# Altium PCB cyber60-smk-B2.PcbDoc (part 3 of 4)
Units mm, origin at the board's own origin, x right, y up, seen from the top; angles counter-clockwise.
Board outline 284.7 x 94.21 mm, 2 copper layers (Component Side, Bottom Layer), stack 1.571 mm thick; 221 components, 135 nets, 913 pads, 306 vias.
Unrouted connection lines stored in the file: 51.
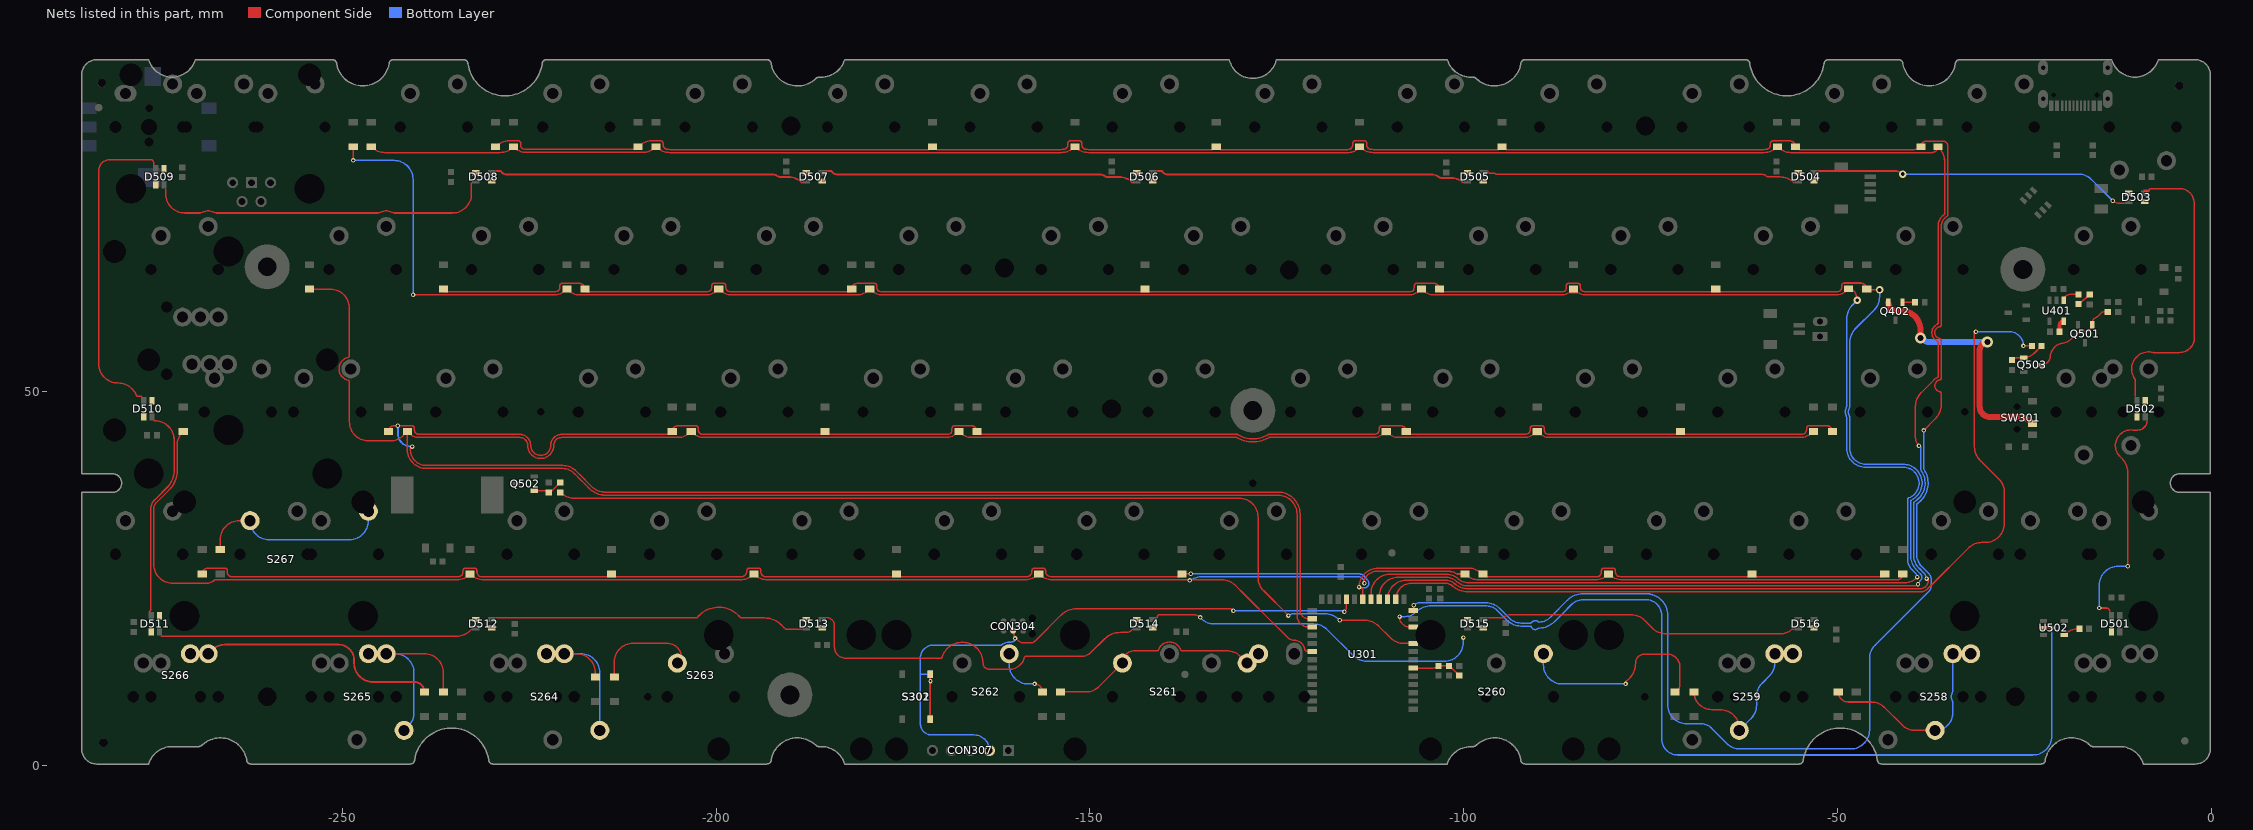
[diagram p3: the nets of this part, all layers, seen from the top]

## Via types
v1: diameter 1, hole 0.5, Component Side to Bottom Layer, tented both sides, 161 vias
v2: diameter 0.6, hole 0.3, Component Side to Bottom Layer, tented both sides, 139 vias
v3: diameter 1.5, hole 0.8, Component Side to Bottom Layer, tented both sides, 4 vias
v4: diameter 1.5, hole 0.75, Component Side to Bottom Layer, tented both sides, 2 vias

## Nets (pads, with @x,y where several pads share a name; then routed paths per layer and width w, separated by ;. In a path a pad name is that pad's centre, name@x,y a point inside that pad or via, vN(x,y) a via of type N, cw(c..) or ccw(c..) an arc to the next point about the centre after c; other vN are vias at no path point) (continued)
NetD258_1: D258.1 S258.1 | length 26.8
  Component Side w0.203: D258.1@-49.911,9.85 ccw(c-48.57,9.85) -48.57,8.509 -45.502,8.509 cw(c-45.502,5.969) -43.822,7.874 cw(c-45.502,5.969) -43.706,7.765 -41.4,5.459 ccw(c-39.604,7.255) -39.604,4.715 S258.1@-36.95,4.715
  Bottom Layer w0.203: S258.1@-36.95,4.715 ccw(c-36.95,7.096) -34.569,7.096 -34.569,8.387 ccw(c-34.772,8.388) -34.593,8.484 cw(c-33.219,9.215) -34.593,9.946 ccw(c-34.772,10.042) -34.569,10.043 S258.1@-34.569,14.965
NetD259_1: D259.1 S259.1 | length 22.2
  Component Side w0.203: D259.1@-69.088,9.977 cw(c-69.215,9.977) D259.1@-69.215,9.85 ccw(c-66.858,9.85) -68.961,8.786 ccw(c-66.858,9.85) -66.858,7.493 -65.69,7.493 cw(c-65.69,4.953) -63.15,4.953 S259.1@-63.15,4.715
  Bottom Layer w0.203: S259.1@-62.103,4.715 S259.1@-63.15,4.715 -61.577,6.288 ccw(c-63.373,8.084) -60.833,8.084 -60.833,9.235 cw(c-58.293,9.235) -60.089,11.031 -59.131,11.989 ccw(c-60.927,13.785) -58.387,13.785 S259.1@-58.387,14.965
NetD260_1: D260.1 S260.1 | length 28.1
  Component Side w0.203: v2(-78.359,10.922) -78.359,11.176 cw(c-78.166,11.113) -78.283,11.278 ccw(c-80.01,13.715) -77.652,11.882 ccw(c-80.01,13.715) -77.204,12.693 ccw(c-80.01,13.715) -77.024,13.715 cw(c-75.819,13.715) -76.966,14.083 ; -76.937,14.163 cw(c-75.819,13.715) -76.619,14.616 cw(c-75.819,13.715) -76.111,14.884 cw(c-75.819,13.715) -75.681,14.912 ; -75.819,14.92 cw(c-75.819,13.715) -75.684,14.912 ccw(c-75.614,15.515) -75.681,14.912 ; D260.1@-71.426,9.969 ccw(c-72.241,10.784) -71.313,10.1 ccw(c-72.241,10.784) -71.088,10.784 -71.088,13.182 ccw(c-72.822,13.182) -71.53,14.338 ccw(c-72.822,13.182) -72.647,14.907 ccw(c-72.668,14.705) -72.669,14.908 -73.363,14.908 -75.614,14.908 cw(c-75.614,15.515) -75.681,14.912
  Bottom Layer w0.203: S260.1@-89.343,14.965 -89.343,13.462 ccw(c-86.803,13.462) -86.803,10.922 v2(-78.359,10.922)
NetD261_1: D261.1 S261.2 | length 29
  Component Side w0.203: D261.1@-153.924,9.85 -150.567,9.85 ccw(c-150.567,12.39) -148.771,10.594 S261.2@-145.649,13.715 cw(c-143.997,13.715) -143.997,15.367 -141.714,15.367 -141.018,15.367 ccw(c-141.018,15.57) -140.827,15.501 cw(c-139.35,14.965) -138.442,16.248 cw(c-139.35,14.965) -137.872,15.502 ccw(c-137.682,15.571) -137.682,15.368 -136.779,15.368 -131.679,15.368 cw(c-131.679,12.828) -129.883,14.624 S261.2@-128.973,13.715
NetD262_1: D262.1 S262.1 | length 8
  Component Side w0.203: v2(-157.409,10.922) cw(c-157.409,9.85) D262.1@-156.337,9.85
  Bottom Layer w0.203: S262.1@-160.781,14.965 -160.781,13.462 ccw(c-158.241,13.462) -158.241,10.922 v2(-157.409,10.922)
NetD263_1: D263.1 S263.1 | length 13.7
  Component Side w0.203: D263.1@-213.614,11.85 -213.614,13.843 cw(c-211.074,13.843) -211.074,16.383 -206.659,16.383 cw(c-206.659,14.295) S263.1@-204.571,14.295
NetD264_1: D264.1 S264.1 | length 20.1
  Component Side w0.203: S264.1@-220.312,14.965 -218.694,14.965 cw(c-218.694,12.425) -216.154,12.425 D264.1@-216.154,11.85
  Bottom Layer w0.203: S264.1@-220.312,14.965 -218.09,14.965 cw(c-218.09,12.425) -215.55,12.425 S264.1@-215.55,4.715
NetD265_1: D265.1 S265.1 | length 25
  Component Side w0.203: S265.1@-244.119,14.965 -239.014,14.965 cw(c-239.014,12.425) -236.474,12.425 D265.1@-236.474,10.263
  Component Side w0.254: D265.1@-236.474,9.85 D265.1@-236.474,10.263
  Bottom Layer w0.203: S265.1@-244.119,14.965 -242.951,14.965 cw(c-242.951,12.425) -240.411,12.425 -240.411,7.094 cw(c-242.951,7.094) -241.155,5.298 S265.1@-241.738,4.715
NetD266_1: D266.1 S266.1 | length 33.1
  Component Side w0.254: S266.1@-267.937,14.965 -267.463,15.439 cw(c-265.667,13.643) -265.667,16.183 -250.498,16.183 cw(c-250.498,14.097) -248.412,14.097 -248.412,13.716 ccw(c-245.872,13.716) -245.872,11.176 -240.34,11.176 cw(c-240.34,9.85) D266.1@-239.014,9.85
NetD267_1: D267.1 S267.1 | length 26.7
  Component Side w0.203: D267.1@-266.319,28.9 -266.319,30.225 cw(c-263.779,30.225) -263.779,32.765 S267.1@-262.33,32.765
  Bottom Layer w0.203: S267.1@-262.33,32.765 ccw(c-259.791,32.765) -259.791,30.226 -249.045,30.226 ccw(c-249.045,32.766) -246.505,32.766 S267.1@-246.505,34.015
NetD401_2: D401.2 R401.2 | length 2
  Component Side w0.254: R401.2@-17.78,61.715 D401.2@-16.256,63.007
NetD501_2: D501.2 D502.4 | length 32.7
  Component Side w0.203: v2(-14.986,21.082) -14.032,21.082 cw(c-14.032,20.64) -13.59,20.64 ; v2(-11.176,26.67) cw(c-11.176,26.691) -11.197,26.691 -11.197,30.226 -11.197,32.573 cw(c-10.994,32.573) -11.197,32.583 ccw(c-14.681,32.765) -11.197,32.947 cw(c-10.994,32.957) -11.197,32.957 -11.197,37.211 -11.197,39.263 ccw(c-13.737,39.263) -11.941,41.059 -12.17,41.288 cw(c-10.763,42.815) -12.834,42.952 cw(c-10.763,42.815) -11.725,44.655 cw(c-10.763,42.815) -10.549,44.88 -9.84,44.88 ccw(c-9.84,46.11) -8.61,46.11
  Bottom Layer w0.203: v2(-14.986,21.082) -14.986,24.13 cw(c-12.446,24.13) -12.446,26.67 v2(-11.176,26.67)
NetD502_2: D502.2 D503.4 | length 40.7
  Component Side w0.203: -10.19,49.39 -10.19,51.609 ccw(c-10.393,51.61) -10.229,51.729 cw(c-8.381,53.065) -9.668,54.947 cw(c-8.381,53.065) -9.288,55.157 cw(c-8.381,53.065) -9.287,55.157 cw(c-8.381,53.065) -7.751,55.256 ccw(c-7.695,55.451) -7.695,55.248 -7.239,55.248 -4.27,55.248 ccw(c-4.27,57.232) -3.262,55.523 ccw(c-3.365,55.699) -3.175,55.626 -3.174,55.626 ccw(c-3.173,55.829) -3.049,55.668 ccw(c-4.27,57.232) -2.368,56.667 ccw(c-4.27,57.232) -2.286,57.232 -2.286,75.204 ccw(c-4.27,75.204) -2.591,76.262 ccw(c-4.27,75.204) -3.641,77.086 ; -9.022,76.922 -8.344,76.922 ; -8.36,76.79 cw(c-7.807,76.79) -8.344,76.922 ; -3.642,77.086 ccw(c-4.27,75.204) -4.27,77.188 -8.096,77.188 ccw(c-8.097,76.985) -8.265,77.1 ccw(c-7.807,76.79) -8.344,76.922
NetD503_2: D503.2 D504.4 | length 42.5
  Component Side w0.203: v2(-13.208,75.565) ccw(c-12.351,76.422) -12.351,75.21 -11.64,75.21
  Component Side w0.254: -52.577,79.54 -42.287,79.54 cw(c-42.287,78.109) v1(-41.275,79.121)
  Bottom Layer w0.203: v1(-41.275,79.121) -17.816,79.121 cw(c-17.816,76.581) -16.02,78.377 v2(-13.208,75.565)
NetD504_2: D504.2 D505.4 | length 41.4
  Component Side w0.203: -96.793,79.54 ccw(c-96.501,79.54) -96.501,79.248 -95.997,79.248 cw(c-95.996,78.994) -95.855,79.205 ccw(c-95.462,79.794) -95.462,79.086 -60.232,79.086 cw(c-60.232,77.164) -59.737,79.021 ccw(c-59.46,80.048) -59.732,79.02 ccw(c-59.057,79.696) -59.057,78.74 -57.689,78.74 cw(c-57.689,76.2) -55.893,77.996 -55.857,77.96
NetD505_2: D505.2 D506.4 | length 41.7
  Component Side w0.254: -141.01,79.54 -140.497,79.54 cw(c-140.496,79.286) -140.28,79.42 ccw(c-139.679,79.794) -139.679,79.086 -104.428,79.086 cw(c-104.428,77.164) -103.512,78.854 ; -100.073,77.96 ccw(c-101.649,76.384) -101.649,78.613 -102.931,78.613 cw(c-102.931,79.435) -103.236,78.672 ; -103.512,78.854 cw(c-104.428,77.164) -103.236,78.672 ; -103.512,78.854 ccw(c-102.931,79.435) -103.236,78.672
NetD506_2: D506.2 D507.4 | length 41.4
  Component Side w0.254: -185.227,79.54 -184.714,79.54 cw(c-184.713,79.286) -184.497,79.42 ccw(c-183.896,79.794) -183.896,79.086 -148.911,79.086 cw(c-148.911,77.195) -147.972,78.836 ccw(c-147.74,79.069) -147.847,78.758 ccw(c-147.74,79.069) -147.74,78.74 -146.122,78.74 cw(c-146.122,76.2) -144.326,77.996 -144.29,77.96
NetD507_2: D507.2 D508.4 | length 41.4
  Component Side w0.254: -229.443,79.54 -228.93,79.54 cw(c-228.929,79.286) -228.713,79.42 ccw(c-228.112,79.794) -228.113,79.086 ccw(c-228.1,81.145) -228.1,79.086 -192.531,79.086 cw(c-192.531,77.471) -192.094,79.026 cw(c-192.163,78.781) -192.026,78.995 -192.024,78.994 ccw(c-191.411,79.607) -191.411,78.74 -190.339,78.74 cw(c-190.339,76.2) -188.543,77.996 -188.507,77.96
NetD508_2: D508.2 D509.4 | length 46.1
  Component Side w0.203: -273.61,77.11 -273.61,76.454 ccw(c-271.07,76.454) -271.07,73.914 -269.027,73.914 ccw(c-269.027,74.117) -268.93,73.939 cw(c-267.938,72.115) -266.945,73.939 ccw(c-266.848,74.117) -266.848,73.914 -245.215,73.914 ccw(c-245.215,74.117) -245.118,73.939 cw(c-244.125,72.115) -243.132,73.939 ccw(c-243.035,74.117) -243.035,73.914 -235.263,73.914 ccw(c-235.263,76.454) -232.723,76.454 -232.723,77.96
NetD509_2: D509.2 D510.4 | length 42.5
  Component Side w0.203: -276.791,49.39 -277.344,49.39 cw(c-277.344,49.593) -277.531,49.515 ccw(c-280.035,48.466) -280.035,51.181 cw(c-280.035,53.721) -282.575,53.721 -282.575,79.61 cw(c-281.146,79.61) -282.28,80.479 cw(c-281.146,79.61) -281.146,81.038 -275.527,81.038 cw(c-275.526,80.835) -275.355,80.945 cw(c-276.207,80.39) -275.19,80.39
NetD510_2: D510.2 D511.4 | length 29.2
  Component Side w0.203: -275.79,20.64 ccw(c-275.79,20.808) -275.622,20.808 -275.622,34.405 cw(c-274.193,34.405) -275.202,35.416 -274.943,35.675 -273.4,37.218 ccw(c-275.59,39.406) -273.259,37.369 ; -275.21,46.11 -275.034,46.11 cw(c-275.034,43.57) -272.494,43.57 -272.494,39.406 cw(c-275.59,39.406) -272.532,38.928 cw(c-275.59,39.406) -273.259,37.369 ; -272.786,38.095 cw(c-275.59,39.406) -273.259,37.369
NetD511_2: D511.2 D512.4 | length 41.8
  Component Side w0.203: -274.21,17.36 ccw(c-274.17,17.36) -274.17,17.32 -234.666,17.32 ccw(c-234.666,19.86) -232.869,18.064 -232.723,18.21
NetD512_2: D512.2 D513.4 | length 42.1
  Component Side w0.203: -229.443,19.79 ccw(c-229.341,19.892) -229.341,19.748 -224.663,19.748 -202.946,19.748 -202.678,19.748 ccw(c-202.678,19.951) -202.521,19.822 cw(c-199.649,17.47) -200.528,21.076 cw(c-199.649,17.47) -196.918,19.983 -196.742,19.807 ccw(c-196.598,19.951) -196.598,19.748 -195.961,19.748 -193.489,19.748 cw(c-193.489,16.652) -192.861,19.683 cw(c-193.489,16.652) -191.3,18.841 -191.132,18.673 ; -191.131,18.673 -190.905,18.446 ccw(c-189.432,19.923) -190.89,18.431 cw(c-191.631,17.668) -190.887,18.428 cw(c-191.631,17.668) -190.877,18.418 ; -190.764,18.317 ccw(c-190.601,18.513) -190.655,18.264 ccw(c-190.132,20.75) -190.132,18.21 -188.507,18.21
NetD513_2: D513.2 D514.4 | length 50.9
  Component Side w0.203: -185.227,19.79 cw(c-185.227,18.738) -184.936,19.749 cw(c-185.227,18.738) -184.216,19.029 cw(c-185.227,18.738) -184.175,18.738 -184.175,15.875 ccw(c-182.651,15.875) -182.651,14.351 -170.029,14.351 ccw(c-170.029,15.724) -169.934,14.354 ccw(c-169.947,14.557) -169.753,14.5 cw(c-167.081,13.715) -168.786,15.916 cw(c-167.081,13.715) -167.526,16.464 cw(c-167.081,13.715) -167.069,16.499 ; -167.132,16.51 ccw(c-167.067,16.703) -167.069,16.499 ; -144.29,18.21 cw(c-145.252,19.172) -145.252,17.812 -145.903,17.812 ccw(c-145.903,14.716) -148.091,16.906 -149.813,15.184 cw(c-151.217,16.586) -151.217,14.602 -158.572,14.602 ccw(c-158.573,14.399) -158.77,14.449 cw(c-160.781,14.965) -160.898,12.892 ; -167.069,16.499 ccw(c-167.067,16.703) -167.068,16.499 cw(c-167.081,13.715) -166.651,16.466 cw(c-167.081,13.715) -166.65,16.466 cw(c-167.081,13.715) -166.092,16.318 cw(c-167.081,13.715) -166.091,16.317 cw(c-167.081,13.715) -165.881,16.228 cw(c-167.081,13.715) -164.329,14.137 cw(c-167.081,13.715) -164.297,13.71 ccw(c-163.477,13.711) -163.477,12.892 -160.91,12.892 cw(c-160.909,12.689) -160.898,12.892 ; -160.898,12.892 ccw(c-160.781,14.965) -160.659,12.892 cw(c-160.781,14.965) -160.898,12.892
NetD514_2: D514.2 D515.4 | length 45.5
  Component Side w0.203: -140.988,19.812 -141.01,19.79 cw(c-140.48,19.79) -140.904,20.108 cw(c-140.742,19.985) -140.741,20.188 -136.164,20.188 cw(c-136.164,18.903) v2(-135.255,19.812)
  Bottom Layer w0.203: v2(-135.255,19.812) -135.132,19.689 ccw(c-133.336,21.485) -133.336,18.945 -120.073,18.945 cw(c-120.073,16.405) -118.277,18.201 -114.79,14.714 ccw(c-112.994,16.51) -112.994,13.97 -102.586,13.97 ccw(c-102.586,16.51) -100.046,16.51 v2(-100.046,17.124)
NetD515_2: D515.2 D516.4 | length 42
  Component Side w0.203: -96.793,19.79 -94.741,19.79 ccw(c-94.741,19.993) -94.596,19.851 cw(c-93.793,19.065) -93.793,20.188 -77.629,20.188 cw(c-77.629,17.648) -75.832,19.444 -74.764,18.376 ccw(c-72.968,20.172) -72.968,17.632 -57.529,17.632 ccw(c-57.529,19.605) -56.134,18.21 -55.857,18.21
NetQ402_1: Q402.1 R403.1 | length 1.7
  Component Side w0.203: Q402.1@-41.326,61.959 R403.1@-39.639,61.959
  Component Side w0.5: R403.1@-39.639,61.959 R403.1@-39.639,61.976
NetQ402_2: Q402.2 SW301.2 | length 33.9
  Component Side w0.8: Q402.2@-43.226,61.959 ccw(c-42.1,61.959) -42.1,60.833 -41.465,60.833 cw(c-41.465,58.293) -38.925,58.293 v3(-38.925,57.213) ; v3(-29.972,56.642) ccw(c-29.972,55.626) -30.184,56.62 ccw(c-29.972,55.626) -30.963,55.848 ccw(c-29.972,55.626) -30.988,55.626 -30.988,48.006 ccw(c-29.591,48.006) -29.591,46.609 -26.259,46.609 -25.836,46.609 cw(c-25.836,44.069) -24.04,45.865 SW301.2@-23.925,45.75
  Bottom Layer w0.8: v3(-38.925,57.213) ccw(c-37.546,58.593) -37.546,56.642 v3(-29.972,56.642)
NetQ501_1: Q501.1 Q503.3 R502.1 | length 12.4
  Component Side w0.203: Q503.3@-22.729,53.609 ccw(c-22.729,54.813) -21.552,54.559 ccw(c-21.751,54.603) -21.548,54.6 cw(c-19.572,54.571) -21.526,54.868 ; -21.525,54.868 cw(c-19.572,54.571) -20.279,56.416 cw(c-19.905,55.433) -20.002,56.48 ccw(c-20.193,58.508) -19.609,56.557 ccw(c-20.193,58.508) -18.754,57.067 -18.212,57.609 cw(c-17.059,56.457) -17.548,58.012 ccw(c-17.609,58.205) -17.534,58.016 cw(c-17.166,57.085) -17.166,58.087 -16.839,58.087 ccw(c-16.839,58.985) Q501.1@-15.941,58.985 cw(c-14.235,58.985) -15.8,59.665 cw(c-15.614,59.583) -15.704,59.765 ccw(c-16.755,61.889) -15.08,60.213 -14.696,60.597 cw(c-14.551,60.454) -14.594,60.653 cw(c-14.235,58.985) -14.235,60.691 R502.1@-13.843,60.691
NetQ502_1: Q502.1 R510.1 R511.1 | length 4.1
  Component Side w0.203: Q502.1@-224.352,36.769 -222.879,36.769 cw(c-222.879,36.059) R511.1@-222.377,36.561 ccw(c-222.377,37.102) -221.995,36.719 R510.1@-220.853,37.861
NetQ503_1: Q503.1 R501.2 R515.1 | length 4.6
  Component Side w0.203: R515.1@-26.67,54.244 cw(c-25.91,53.484) -25.91,54.559 Q503.1@-25.129,54.559 ccw(c-25.129,56.577) -23.702,55.15 R501.2@-22.718,56.134
NetR401_1: R401.1 U401.1 | length 2.4
  Component Side w0.203: U401.1@-19.751,62.216 cw(c-18.952,62.216) -18.952,63.015 R401.1@-17.78,63.015
NetR402_1: R402.1 U401.5 | length 1.7
  Component Side w0.5: R402.1@-20.305,58.039 -20.305,58.912 cw(c-19.751,58.912) U401.5@-19.751,59.466 U401.5@-19.747,59.462
NetR507_2: R507.2 U502.4 | length 2.3
  Component Side w0.203: U502.4@-19.707,17.465 -19.628,17.544 cw(c-17.832,15.748) -17.832,18.288 R507.2@-17.668,18.288
NetR510_2: R510.2 U301.9 | length 127.3
  Component Side w0.203: R510.2@-220.853,36.561 -220.815,36.523 ccw(c-219.019,38.319) -220.643,36.366 ccw(c-219.019,38.319) -219.019,35.779 -218.313,35.779 -131.064,35.779 -130.048,35.779 cw(c-130.048,33.239) -127.508,33.239 -127.508,25.182 ccw(c-124.968,25.182) -126.764,23.386 v2(-123.444,20.066) ; v2(-116.586,19.431) -113.193,19.431 cw(c-113.193,16.891) -111.397,18.687 -109.804,17.094 ccw(c-108.008,18.89) -108.008,16.35 U301.9@-107.25,16.35
  Bottom Layer w0.203: v2(-123.444,20.066) cw(c-122.884,19.506) -122.884,20.298 -118.505,20.298 cw(c-118.505,17.758) -116.709,19.554 v2(-116.586,19.431)
NetU301_11: U301.11 U502.2 | length 128.3
  Component Side w0.203: v2(-108.585,19.939) -108.585,19.885 ccw(c-107.25,19.885) -108.567,19.667 ccw(c-107.25,19.885) -108.2,18.948 ccw(c-107.25,19.885) U301.11@-107.25,18.55 ; U502.2@-22.457,18.415 v2(-21.336,18.415)
  Bottom Layer w0.203: v2(-108.585,19.939) -107.816,19.939 ccw(c-107.816,21.919) -106.416,20.519 cw(c-104.336,18.437) -106.128,20.771 cw(c-104.336,18.437) -104.336,21.38 -97.189,21.38 cw(c-97.189,18.84) -96.734,21.339 ccw(c-96.697,21.539) -96.697,21.336 -96.611,21.336 cw(c-96.61,21.133) -96.566,21.331 cw(c-97.022,19.244) -95.51,20.753 -94.169,19.413 -94.166,19.41 ccw(c-92.373,21.209) -92.373,18.669 -92.075,18.669 -91.158,18.669 cw(c-91.158,18.466) -90.973,18.549 ccw(c-90.424,18.796) -90.028,18.343 cw(c-89.894,18.19) -89.898,18.393 ccw(c-89.952,21.336) -87.872,19.254 -86.837,20.289 -85.549,21.577 cw(c-84.038,20.066) -84.038,22.203 -75.811,22.203 cw(c-75.811,19.26) -74.762,22.01 cw(c-74.907,21.633) -74.735,21.998 cw(c-75.648,20.066) -74.294,21.72 ; -74.293,21.719 cw(c-75.648,20.066) -73.511,20.066 -73.511,3.556 ccw(c-71.374,3.556) -73.054,2.236 ccw(c-71.374,3.556) -71.374,1.419 -23.876,1.419 ccw(c-23.876,3.959) -21.336,3.959 v2(-21.336,18.415)
P0.03: C307.2 R306.2 R307.1 U301.6 | length 7.3
  Component Side w0.203: U301.6@-107.25,13.05 -104.102,13.05 ccw(c-104.102,14.074) C307.2@-103.378,13.35 R307.1@-101.981,13.35 -101.683,13.052 -101.611,13.052 -100.609,12.05 R306.2@-100.584,12.05
P0.05: D201.2 D203.2 D205.2 D207.2 D209.2 D211.2 D213.2 U301.13 | length 370.1
  Component Side w0.203: D213.2@-229.489,82.78 -229.429,82.84 cw(c-227.686,81.097) -227.686,83.562 -226.466,83.562 cw(c-226.466,83.235) -226.139,83.235 -226.139,82.947 ccw(c-225.619,82.947) -225.886,82.5 ccw(c-225.78,82.674) -225.825,82.476 ccw(c-225.379,84.477) -225.379,82.427 -211.207,82.427 ccw(c-211.301,83.642) D211.2@-210.536,82.693 ; D211.2@-210.439,82.78 cw(c-211.301,83.642) D211.2@-210.536,82.693 ; U301.13@-107.25,20.75 ccw(c-107.25,21.32) -106.68,21.32 v2(-106.68,21.463) ; v2(-38.481,44.831) -36.89,46.422 ccw(c-38.686,48.218) -36.146,48.218 -36.146,49.806 ccw(c-36.35,49.807) -36.318,50.008 cw(c-36.195,50.8) -36.356,50.015 cw(c-36.195,50.8) -36.357,51.585 cw(c-36.195,50.8) -36.356,51.585 cw(c-36.195,50.8) -36.318,51.592 ccw(c-36.35,51.793) -36.146,51.794 -36.146,56.918 ccw(c-36.35,56.919) -36.318,57.12 cw(c-36.195,57.912) -36.318,58.704 ccw(c-36.35,58.905) -36.146,58.906 -36.146,72.088 ccw(c-36.35,72.089) -36.146,72.092 cw(c-34.575,72.115) -36.146,72.139 cw(c-34.575,72.115) -35.383,73.463 ccw(c-35.487,73.638) -35.284,73.637 ccw(c-35.487,73.638) -35.284,73.639 -35.284,82.909 ccw(c-35.912,82.909) -35.912,83.537 -38.105,83.537 ccw(c-38.105,82.78) D201.2@-38.862,82.78 cw(c-39.777,83.695) -39.777,82.401 -51.054,82.401 -55.057,82.401 cw(c-55.057,82.604) -55.155,82.426 cw(c-54.151,84.255) D203.2@-55.626,82.78 ccw(c-56.408,82.78) -56.408,83.562 -58.649,83.562 ccw(c-58.649,83.235) -58.976,83.235 -58.976,83.034 cw(c-59.609,83.034) -59.282,82.492 cw(c-59.386,82.667) -59.335,82.47 cw(c-59.873,84.538) -59.873,82.401 -91.313,82.401 -94.243,82.401 cw(c-94.243,82.604) -94.319,82.416 cw(c-93.701,83.948) D205.2@-94.869,82.78 cw(c-96.344,84.255) -95.341,82.426 cw(c-95.438,82.604) -95.438,82.401 -97.917,82.401 -112.085,82.401 cw(c-112.085,84.538) -112.625,82.471 cw(c-112.572,82.667) -112.68,82.495 cw(c-112.349,83.034) -112.982,83.034 -112.982,83.235 ccw(c-113.309,83.235) -113.309,83.562 -114.529,83.562 ccw(c-114.529,83.235) -114.856,83.235 -114.856,83.034 cw(c-115.489,83.034) -115.489,82.401 -127,82.401 -132.553,82.401 cw(c-132.553,82.604) -132.662,82.433 cw(c-131.314,84.562) D207.2@-133.096,82.78 cw(c-134.571,84.255) -133.568,82.426 cw(c-133.665,82.604) -133.665,82.401 -136.271,82.401 -150.185,82.401 cw(c-150.185,84.538) -150.725,82.471 cw(c-150.672,82.667) -150.78,82.495 cw(c-150.449,83.034) -151.082,83.034 -151.082,83.235 ccw(c-151.409,83.235) -151.409,83.562 -152.629,83.562 ccw(c-152.629,83.235) -152.956,83.235 -152.956,83.034 cw(c-153.589,83.034) -153.262,82.492 cw(c-153.366,82.667) -153.315,82.47 cw(c-153.853,84.538) -153.853,82.401 -169.418,82.401 -170.443,82.401 cw(c-170.443,82.604) -170.519,82.416 cw(c-169.901,83.948) D209.2@-171.069,82.78 cw(c-172.544,84.255) -171.541,82.426 cw(c-171.638,82.604) -171.638,82.401 -173.482,82.401 -206.192,82.401 cw(c-206.192,84.538) -206.732,82.471 cw(c-206.679,82.667) -206.787,82.495 cw(c-206.456,83.034) -207.089,83.034 -207.089,83.235 ccw(c-207.416,83.235) -207.416,83.562 -208.636,83.562 ccw(c-208.636,81.307) -210.23,82.902 -210.439,82.693 D211.2@-210.536,82.693
  Bottom Layer w0.203: v2(-106.68,21.463) cw(c-105.906,20.689) -105.906,21.784 -97.022,21.784 cw(c-97.022,19.244) -95.226,21.04 -94.497,20.311 -93.884,19.698 ccw(c-92.373,21.209) -92.373,19.072 -91.16,19.072 cw(c-91.158,18.466) -91.095,19.069 ccw(c-91.074,19.271) -90.91,19.151 cw(c-90.424,18.796) -90.029,19.25 ccw(c-89.896,19.403) -89.891,19.2 ccw(c-89.952,21.336) -88.441,19.825 -86.118,22.148 cw(c-84.038,20.066) -84.038,23.009 -75.648,23.009 cw(c-75.648,20.066) -73.805,22.361 cw(c-75.648,20.066) -72.704,20.066 -72.704,13.208 -72.704,8.128 ccw(c-70.164,8.128) -70.164,5.588 -68.199,5.588 cw(c-68.199,3.748) -66.898,5.049 -64.819,2.97 ccw(c-63.022,4.766) -63.022,2.226 -48.26,2.226 ccw(c-48.26,4.766) -45.72,4.766 -45.72,14.315 cw(c-43.18,14.315) -44.976,16.111 -37.792,23.295 ccw(c-38.502,24.004) -37.498,24.004 -37.498,25.019 ccw(c-38.338,25.019) -37.543,25.29 ccw(c-38.338,25.019) -37.744,25.612 -38.686,26.555 cw(c-36.89,28.351) -39.43,28.351 -39.43,31.637 -39.43,33.782 -39.43,34.297 -39.43,34.301 -39.43,34.876 cw(c-39.227,34.876) -39.342,35.044 ccw(c-41.212,37.79) -37.897,37.579 ccw(c-41.212,37.79) -38.101,38.957 ccw(c-41.212,37.79) -38.447,39.632 cw(c-38.278,39.744) -38.481,39.744 v2(-38.481,44.831)
P0.07: R501.1 U301.15 | length 122.7
  Component Side w0.203: U301.15@-109.1,22.25 cw(c-106.968,22.25) -106.968,24.382 -105.289,24.382 ccw(c-105.289,24.785) -105.274,24.382 ccw(c-105.289,24.785) -105.271,24.383 ccw(c-105.289,24.785) -105.257,24.383 cw(c-105.241,24.181) -105.24,24.384 -102.393,24.384 cw(c-102.393,23.083) -101.473,24.003 cw(c-101.585,23.833) -101.459,23.993 ccw(c-101.21,24.31) -101.44,23.979 ccw(c-100.946,24.616) -101.391,23.944 cw(c-101.504,23.775) -101.377,23.933 ccw(c-99.392,26.406) -99.392,23.235 -39.006,23.235 ccw(c-39.006,24.776) -37.93,23.673 -37.617,23.978 ; -37.616,23.979 -32.494,29.101 cw(c-30.698,27.305) -30.698,29.845 -30.226,29.845 ccw(c-30.226,32.385) -27.686,32.385 -27.686,36.54 ccw(c-30.226,36.54) -28.43,38.336 -30.946,40.852 cw(c-29.15,42.648) -31.69,42.648 -31.69,57.845 cw(c-31.496,57.845) v2(-31.496,58.039) ; v2(-25.146,56.134) R501.1@-24.018,56.134
  Bottom Layer w0.203: v2(-31.496,58.039) -27.051,58.039 cw(c-27.051,56.134) -26.958,58.037 cw(c-27.051,56.134) -25.904,57.655 cw(c-27.051,56.134) v2(-25.146,56.134)
P0.12: D215.2 D217.2 D219.2 D221.2 D223.2 D225.2 D227.2 U301.17 | length 325.5
  Component Side w0.203: D227.2@-236.474,63.73 ccw(c-235.99,63.73) -236.368,63.428 ccw(c-236.209,63.554) -236.209,63.351 -232.791,63.351 -221.798,63.351 ccw(c-221.798,65.488) -221.26,63.42 ccw(c-221.311,63.617) -221.207,63.442 ccw(c-221.534,63.984) -220.901,63.984 -220.901,64.185 cw(c-220.574,64.185) -220.574,64.512 -218.333,64.512 cw(c-218.333,63.73) D225.2@-217.551,63.73 ccw(c-217.067,63.73) -217.445,63.428 ccw(c-217.286,63.554) -217.286,63.351 -216.281,63.351 -201.478,63.351 ccw(c-201.478,65.488) -200.94,63.42 ccw(c-200.991,63.617) -200.887,63.442 ccw(c-201.214,63.984) -200.581,63.984 -200.581,64.185 cw(c-200.254,64.185) -200.254,64.512 -199.034,64.512 cw(c-199.034,64.185) -198.707,64.185 -198.707,63.984 ccw(c-198.074,63.984) -198.405,63.445 ccw(c-198.297,63.617) -198.35,63.421 ccw(c-197.81,65.488) -197.81,63.351 -196.215,63.351 -182.129,63.351 ccw(c-182.129,63.554) -181.971,63.426 ccw(c-182.348,63.73) D223.2@-181.864,63.73 cw(c-181.082,63.73) -181.082,64.512 -178.841,64.512 cw(c-178.841,64.185) -178.514,64.185 -178.514,63.984 ccw(c-177.881,63.984) -178.212,63.445 ccw(c-178.104,63.617) -178.157,63.421 ccw(c-177.617,65.488) -177.617,63.351 -107.498,63.351 ccw(c-107.498,65.488) -106.97,63.418 ccw(c-107.498,65.488) -106.968,63.418 ccw(c-107.498,65.488) -106.882,63.442 ccw(c-106.94,63.637) -106.792,63.497 ccw(c-107.129,63.811) -106.669,63.811 ccw(c-107.667,64.185) -106.601,64.185 cw(c-106.274,64.185) -106.274,64.512 -104.033,64.512 cw(c-104.033,63.73) D219.2@-103.251,63.73 ccw(c-102.872,63.73) -102.872,63.351 -87.102,63.351 ccw(c-87.102,65.488) -86.538,63.427 ccw(c-86.591,63.623) -86.421,63.512 ccw(c-87.146,63.984) -86.281,63.984 -86.281,64.185 cw(c-85.954,64.185) -85.954,64.512 -84.734,64.512 cw(c-84.734,64.185) -84.407,64.185 -84.407,63.984 ccw(c-83.774,63.984) -84.105,63.445 ccw(c-83.997,63.617) -84.05,63.421 ccw(c-83.51,65.488) -83.51,63.351 -50.388,63.351 ccw(c-50.388,65.488) -49.773,63.442 ccw(c-49.832,63.636) -49.713,63.471 ccw(c-50.084,63.984) -49.451,63.984 -49.451,64.225 cw(c-49.124,64.225) -49.124,64.552 -46.923,64.552 cw(c-46.923,63.73) D215.2@-46.101,63.73 -45.998,63.627 v1(-44.39,63.627) v1@-44.346,63.672 ; U301.17@-111.3,22.25 -111.3,22.65 cw(c-108.76,22.65) -108.76,25.19 -102.332,25.19 cw(c-102.332,23.229) -100.946,24.616 cw(c-101.036,24.434) -100.943,24.615 cw(c-101.036,24.434) -100.906,24.59 ccw(c-99.392,26.406) -99.392,24.042 -39.732,24.042 ccw(c-39.732,24.703) -39.265,24.235 v2(-39.243,24.257)
  Bottom Layer w0.203: v1(-44.39,63.627) -44.39,62.707 cw(c-46.93,62.707) -45.134,60.911 -47.621,58.424 ccw(c-45.825,56.628) -48.365,56.628 -48.365,48.089 cw(c-48.568,48.088) -48.385,47.999 ccw(c-46.988,47.315) -48.385,46.631 cw(c-48.568,46.542) -48.365,46.541 -48.365,42.443 ccw(c-46.228,42.443) -47.728,40.921 ccw(c-46.228,42.443) -46.228,40.306 -43.053,40.306 -41.212,40.306 cw(c-41.212,37.79) -40.138,40.065 cw(c-41.212,37.79) -40.136,40.064 ; -39.709,39.807 ccw(c-41.212,37.79) -40.136,40.064 ; v2(-39.243,24.257) ccw(c-39.932,24.946) -38.999,24.665 cw(c-38.804,24.606) -38.938,24.759 ccw(c-39.335,25.212) -38.934,25.66 cw(c-38.799,25.812) -38.958,25.685 -39.375,26.103 cw(c-37.294,28.184) -40.237,28.184 -40.237,34.337 -40.237,35.34 cw(c-40.034,35.34) -40.122,35.523 ccw(c-41.212,37.79) -40.136,40.064
P0.18/RESET: CON304.3 CON307.2 S301.2 S302.1 U301.21 | length 96.4
  Component Side w0.203: S301.2@-171.353,6.215 S301.2@-171.353,12.09 ; CON304.3@-160.274,18.034 ccw(c-158.645,18.034) -158.645,16.405 -158.052,16.405 ccw(c-158.052,17.534) -157.254,16.736 -153.857,20.133 cw(c-151.776,18.052) -151.776,20.995 -131.312,20.995 cw(c-131.312,20.493) -130.957,20.848 v2(-130.81,20.701) ; v2(-115.951,20.574) ccw(c-116.557,21.18) -115.7,21.18 U301.21@-115.7,22.25
  Bottom Layer w0.203: S302.1@-171.353,6.215 S302.1@-171.353,12.215 -172.649,12.215 ccw(c-172.649,12.192) -172.672,12.192 ; CON307.2@-163.449,2.032 ccw(c-165.525,2.032) -165.525,4.108 -171.196,4.108 cw(c-171.196,5.585) -172.493,4.88 cw(c-171.196,5.585) -172.672,5.585 -172.672,12.192 ; -160.911,16.531 cw(c-160.781,14.965) -160.659,16.532 ; v2(-160.02,17.018) cw(c-160.507,17.018) -160.507,16.531 -160.643,16.531 cw(c-160.643,16.734) -160.658,16.532 cw(c-160.643,16.734) -160.659,16.532 ; v2(-130.81,20.701) -116.258,20.701 cw(c-116.258,20.267) v2(-115.951,20.574) ; -172.672,12.192 -172.672,14.396 cw(c-170.939,14.396) -172.665,14.554 cw(c-170.939,14.396) -171.689,15.959 cw(c-170.939,14.396) -170.939,16.13 -162.882,16.13 cw(c-162.881,15.926) -162.856,16.128 ccw(c-162.687,17.526) -162.518,16.128 cw(c-162.493,15.926) -162.516,16.128 cw(c-162.493,15.926) -162.492,16.13 -161.912,16.13 ccw(c-161.912,16.333) -161.782,16.176 cw(c-160.781,14.965) -160.659,16.532
  other v2: -171.323,11.303
P0.21: D243.2 D245.2 D247.2 D249.2 D251.2 D253.2 D255.2 U301.19 | length 240.4
  Component Side w0.203: D255.2@-268.732,25.63 cw(c-267.95,25.63) -267.95,26.412 -265.709,26.412 cw(c-265.709,26.085) -265.382,26.085 -265.382,25.917 -265.382,25.86 ccw(c-264.795,25.86) -264.795,25.273 -234.466,25.273 ccw(c-234.466,25.884) -233.855,25.884 -233.855,26.085 cw(c-233.528,26.085) -233.528,26.412 -232.308,26.412 cw(c-232.308,26.085) -231.981,26.085 -231.981,25.884 ccw(c-231.348,25.884) -231.679,25.345 ccw(c-231.571,25.517) -231.624,25.321 ccw(c-231.084,27.388) -231.084,25.251 -196.78,25.251 ccw(c-196.78,27.388) -196.61,25.258 ccw(c-196.716,26.085) -195.882,26.085 cw(c-195.555,26.085) -195.555,26.412 -194.335,26.412 cw(c-194.335,26.085) -194.008,26.085 -194.008,25.882 ccw(c-193.384,25.882) -193.688,25.337 ccw(c-193.587,25.514) -193.638,25.317 ccw(c-193.111,27.388) -193.294,25.259 ccw(c-193.276,25.461) -193.293,25.259 ccw(c-193.276,25.461) -193.277,25.258 ; -193.276,25.258 -192.532,25.258 -158.506,25.258 ccw(c-158.679,27.388) -158.276,25.29 ccw(c-158.314,25.489) -158.274,25.29 ccw(c-158.314,25.489) -158.249,25.296 ccw(c-158.482,25.983) -157.799,25.739 ccw(c-158.482,25.983) -157.757,25.981 ccw(c-158.482,25.983) -157.757,25.983 ; -157.757,25.983 -157.757,26.085 cw(c-157.455,26.085) -157.455,26.387 -156.235,26.387 cw(c-156.235,26.085) -155.933,26.085 ; -155.933,25.982 ccw(c-155.202,25.982) -155.484,25.308 ccw(c-155.405,25.495) -155.479,25.306 -155.464,25.3 ccw(c-155.011,27.388) -155.011,25.251 -137.813,25.251 ccw(c-137.813,25.513) -137.551,25.513 -137.41,25.654 v2(-136.525,25.654) ; U301.19@-113.5,22.25 -113.5,23.376 ccw(c-114,23.376) v2(-114,23.876) cw(c-111.46,23.876) -111.46,26.416 -99.402,26.416 cw(c-99.402,23.876) -97.606,25.672 -97.564,25.63 D247.2@-97.409,25.63 ccw(c-96.241,26.798) -96.859,25.266 ccw(c-96.783,25.454) -96.783,25.251 -92.583,25.251 -82.403,25.251 ccw(c-82.403,27.388) -82.015,25.287 ccw(c-82.052,25.487) -81.976,25.298 ccw(c-82.215,25.884) -81.582,25.884 -81.582,26.085 cw(c-81.255,26.085) -81.255,26.412 -80.035,26.412 cw(c-80.035,26.085) -79.708,26.085 -79.708,25.884 ccw(c-79.075,25.884) -79.406,25.345 ccw(c-79.298,25.517) -79.351,25.321 ccw(c-78.811,27.388) -79.243,25.295 ccw(c-78.811,27.388) -78.811,25.251 -50.546,25.251 -43.915,25.251 ccw(c-43.915,25.454) -43.719,25.4 ccw(c-44.553,25.63) D243.2@-43.688,25.63
  Bottom Layer w0.203: v2(-136.525,25.654) cw(c-136.471,25.6) -136.471,25.676 -114.336,25.676 cw(c-114.336,22.733) -113.878,25.64 ; v2(-114,23.876) ccw(c-113.906,23.876) -113.906,23.782 -113.284,23.782 ccw(c-113.284,24.384) -112.948,24.883 cw(c-112.835,25.052) -113.017,24.961 ccw(c-114.173,24.384) -113.704,25.588 ; -113.877,25.64 cw(c-113.94,25.242) -113.831,25.63 -113.82,25.627 cw(c-114.173,24.384) -113.706,25.589 cw(c-114.173,24.384) -113.704,25.588 ; -113.192,25.225 ccw(c-114.173,24.384) -113.704,25.588
P0.22: D229.2 D231.2 D233.2 D235.2 D237.2 D239.2 D241.2 U301.26 | length 347.4
  Component Side w0.203: D241.2@-243.84,44.68 cw(c-243.058,44.68) -243.058,45.462 -240.69,45.462 cw(c-240.69,45.135) -240.363,45.135 -240.363,44.934 ccw(c-239.73,44.934) -239.73,44.301 -226.28,44.301 cw(c-226.28,42.815) -224.799,42.939 cw(c-226.28,42.815) -224.799,42.938 cw(c-226.28,42.815) -224.794,42.815 ccw(c-223.462,42.815) -224.48,41.957 ccw(c-223.462,42.815) -223.189,41.512 ccw(c-223.462,42.815) -222.13,42.815 cw(c-220.644,42.815) -222.023,43.369 ; v2(-240.65,42.672) -240.797,42.525 ccw(c-240.556,42.284) -240.897,42.284 ccw(c-238.76,42.284) -240.872,41.957 ccw(c-238.76,42.284) -240.789,41.614 ccw(c-238.76,42.284) -239.862,40.454 ccw(c-238.76,42.284) -238.76,40.147 -220.523,40.147 cw(c-220.523,37.607) -218.727,39.403 -218.454,39.13 -218.313,38.989 -216.653,37.329 ccw(c-214.857,39.125) -214.857,36.585 -124.841,36.585 cw(c-124.841,33.642) -123.124,36.033 cw(c-124.841,33.642) -122.242,35.024 cw(c-124.841,33.642) -121.898,33.642 -121.898,20.798 ccw(c-120.75,20.798) U301.26@-120.75,19.65 ; -222.125,42.939 cw(c-220.644,42.815) -220.644,44.301 -206.246,44.301 ccw(c-206.246,44.68) D239.2@-205.867,44.68 cw(c-205.085,44.68) -205.085,45.462 -202.717,45.462 cw(c-202.717,45.135) -202.39,45.135 -202.39,44.934 ccw(c-201.757,44.934) -201.998,44.349 ccw(c-201.92,44.537) -201.988,44.345 -201.974,44.34 ccw(c-201.569,46.438) -201.569,44.301 -169.347,44.301 ccw(c-169.347,46.438) -168.68,44.408 ccw(c-168.743,44.601) -168.568,44.498 ccw(c-169.315,44.934) -168.45,44.934 -168.45,45.135 cw(c-168.123,45.135) -168.123,45.462 -165.882,45.462 cw(c-165.882,44.68) D235.2@-165.1,44.68 ccw(c-163.625,46.155) -164.629,44.326 ccw(c-164.531,44.504) -164.531,44.301 -163.195,44.301 -130.335,44.301 cw(c-130.334,44.098) -130.227,44.27 ccw(c-128.212,47.5) -126.197,44.27 cw(c-126.09,44.098) -126.089,44.301 -112.197,44.301 ccw(c-112.197,46.438) -111.659,44.37 ccw(c-111.71,44.567) -111.606,44.392 ccw(c-111.933,44.934) -111.3,44.934 -111.3,45.135 cw(c-110.973,45.135) -110.973,45.462 -108.478,45.462 cw(c-108.478,44.68) D233.2@-107.696,44.68 ccw(c-107.085,44.68) -107.637,44.417 ccw(c-107.453,44.504) -107.453,44.301 -97.917,44.301 -92.004,44.301 ccw(c-92.004,46.438) -91.466,44.37 ccw(c-91.517,44.567) -91.413,44.392 ccw(c-91.74,44.934) -91.107,44.934 -91.107,45.135 cw(c-90.78,45.135) -90.78,45.462 -89.56,45.462 cw(c-89.56,45.135) -89.233,45.135 -89.233,44.934 ccw(c-88.495,44.934) -89.025,44.421 ccw(c-88.879,44.562) -88.929,44.365 ccw(c-88.412,46.438) -88.412,44.301 -55.047,44.301 ccw(c-55.047,46.438) -54.509,44.37 ccw(c-54.56,44.567) -54.456,44.392 ccw(c-54.783,44.934) -54.15,44.934 -54.15,45.135 cw(c-53.823,45.135) -53.823,45.462 -51.455,45.462 cw(c-51.455,44.68) D229.2@-50.673,44.68
  Bottom Layer w0.254: v2(-242.57,45.466) -242.57,44.45 ccw(c-240.792,44.45) -240.792,42.672 v2(-240.65,42.672)
P0.23: D216.2 D218.2 D220.2 D222.2 D224.2 D226.2 D228.2 U301.18 | length 345.9
  Component Side w0.203: v2@-248.539,80.899 D228.2@-248.539,82.78 ; v2@-240.538,62.948 -221.798,62.948 ccw(c-221.798,65.488) -220.002,63.692 D226.2@-219.964,63.73 D226.2@-219.904,63.67 ; D226.2@-219.903,63.669 ccw(c-218.161,65.413) -219.39,63.276 ccw(c-218.161,65.413) -218.161,62.948 -201.478,62.948 ccw(c-201.478,65.488) -200.23,63.276 ccw(c-201.478,65.488) -199.682,63.692 D224.2@-199.644,63.73 -199.606,63.692 ccw(c-197.81,65.488) -199.058,63.276 ccw(c-197.81,65.488) -197.81,62.948 -181.254,62.948 ccw(c-181.254,65.413) -180.025,63.276 ccw(c-181.254,65.413) -179.511,63.67 D222.2@-179.451,63.73 -179.413,63.692 ccw(c-177.617,65.488) -178.865,63.276 ccw(c-177.617,65.488) -177.617,62.948 -107.498,62.948 ccw(c-107.498,65.488) -106.25,63.276 ccw(c-107.498,65.488) -105.702,63.692 D220.2@-105.664,63.73 -105.604,63.67 ccw(c-103.861,65.413) -105.09,63.276 ccw(c-103.861,65.413) -103.861,62.948 -87.102,62.948 ccw(c-87.102,65.488) D218.2@-85.854,63.276 ; U301.18@-112.4,22.25 -112.4,23.054 cw(c-109.86,23.054) -109.86,25.594 -102.332,25.594 cw(c-102.332,23.229) -100.708,24.947 ccw(c-100.568,25.094) -100.685,24.929 cw(c-101.036,24.434) -100.667,24.915 ; -100.666,24.915 cw(c-101.036,24.434) -100.648,24.9 ccw(c-99.392,26.406) -99.392,24.445 -41.021,24.445 ccw(c-41.021,26.664) v2@-39.452,25.095 ; D218.2@-85.306,63.692 cw(c-87.102,65.488) D218.2@-85.854,63.276 ; v1@-47.514,62.373 -47.514,62.77 ccw(c-48.514,62.77) -47.528,62.939 ccw(c-48.514,62.77) -48.345,63.756 ccw(c-48.514,62.77) D216.2@-48.514,63.77 -48.592,63.692 cw(c-50.388,65.488) -50.388,62.948 -83.51,62.948 cw(c-83.51,65.488) -84.758,63.276 D218.2@-85.854,63.276 ; v2@-39.451,25.095 v2(-39.335,25.212)
  Bottom Layer w0.203: v2(-248.541,80.942) -243.078,80.942 cw(c-243.078,78.402) -240.538,78.402 v2(-240.538,62.992) ; v1(-47.371,62.23) -48.024,61.577 ccw(c-46.228,59.781) -48.768,59.781 -48.768,48.178 cw(c-48.971,48.177) -48.785,48.096 ccw(c-46.988,47.315) -48.785,46.534 cw(c-48.971,46.453) -48.768,46.452 -48.768,42.443 ccw(c-46.228,42.443) -46.228,39.903 -44.958,39.903 -41.212,39.903 cw(c-41.212,37.79) -40.507,39.782 cw(c-41.212,37.79) -40.506,39.781 ; -40.64,34.336 -40.64,33.091 -40.64,27.667 ccw(c-38.541,27.667) -40.026,26.184 ; -40.64,34.337 -40.64,35.608 cw(c-40.437,35.608) -40.505,35.799 ccw(c-41.212,37.79) -40.506,39.781 ; -40.292,39.692 ccw(c-41.212,37.79) -40.506,39.781 ; -40.025,26.183 -39.533,25.691 ; -39.533,25.69 cw(c-40.012,25.212) -39.411,25.523 cw(c-40.012,25.212) v2(-39.335,25.212)
P1.00: D230.2 D232.2 D234.2 D236.2 D238.2 D240.2 D242.2 U301.27 | length 368.5
  Component Side w0.203: D242.2@-254.381,63.73 -251.587,63.73 cw(c-251.587,61.19) -249.047,61.19 -249.047,54.798 cw(c-249.25,54.797) -249.206,54.599 ccw(c-248.862,53.065) -249.972,54.177 ccw(c-248.862,53.065) -249.974,54.175 ccw(c-248.862,53.065) -250.434,53.065 ccw(c-248.862,53.065) -249.206,51.531 cw(c-249.25,51.333) -249.047,51.332 -249.047,45.974 ccw(c-246.507,45.974) -246.507,43.434 -243.598,43.434 ccw(c-243.598,45.974) -241.802,44.178 D240.2@-241.3,44.68 ; D238.2@-203.913,44.226 cw(c-205.161,46.438) -205.161,43.898 -220.644,43.898 ccw(c-220.644,42.815) -221.727,42.815 cw(c-223.462,42.815) -225.197,42.815 ccw(c-226.28,42.815) -226.28,43.898 -239.73,43.898 cw(c-239.73,45.8) -241.075,44.455 D240.2@-241.3,44.68 ; D238.2@-203.365,44.642 ccw(c-201.569,46.438) -203.187,44.48 ccw(c-201.569,46.438) -201.569,43.898 -169.347,43.898 ccw(c-169.347,46.438) -167.766,44.45 ccw(c-169.347,46.438) -167.551,44.642 ccw(c-165.755,46.438) -165.755,43.898 -130.448,43.898 cw(c-130.447,43.695) -130.344,43.87 ccw(c-128.212,47.5) -126.08,43.87 cw(c-125.977,43.695) -125.976,43.898 -112.197,43.898 ccw(c-112.197,46.438) -110.949,44.226 D234.2@-109.853,44.226 ; U301.27@-120.75,18.55 cw(c-120.75,20.101) -122.301,20.101 -122.301,33.642 ccw(c-124.841,33.642) -124.841,36.182 -214.857,36.182 cw(c-214.857,39.125) -216.938,37.043 -217.478,37.583 -218.178,38.284 -218.882,38.988 -219.011,39.117 ccw(c-220.523,37.607) -220.523,39.744 -223.397,39.744 ccw(c-223.398,39.541) -223.402,39.744 cw(c-223.462,42.815) -223.522,39.744 ccw(c-223.526,39.541) -223.527,39.744 -238.76,39.744 cw(c-238.76,42.284) -241.3,42.284 D240.2@-241.3,44.68 ; D234.2@-110.401,44.642 ccw(c-108.605,46.438) D234.2@-109.853,44.226 ; D232.2@-90.208,44.642 ccw(c-88.412,46.438) D232.2@-89.66,44.226 ; D230.2@-53.586,44.68 D230.2@-53.213,44.68 -53.251,44.642 cw(c-55.047,46.438) -55.047,43.898 -88.412,43.898 cw(c-88.412,46.438) D232.2@-89.66,44.226 ; D234.2@-109.853,44.226 ccw(c-108.605,46.438) -108.605,43.898 -92.004,43.898 ccw(c-92.004,46.438) -90.756,44.226 D232.2@-89.66,44.226
P1.02: D244.2 D246.2 D248.2 D250.2 D252.2 D254.2 D256.2 U301.30 | length 280.3
  Component Side w0.203: -272.955,37.104 cw(c-275.59,39.406) -273.115,36.934 -274.918,35.13 ccw(c-274.193,34.405) -275.219,34.405 -275.219,26.934 ccw(c-272.679,26.934) -272.679,24.394 -268.077,24.394 ccw(c-268.077,25.747) -267.121,24.79 cw(c-266.979,24.645) -266.978,24.848 -234.676,24.848 ccw(c-234.676,27.388) D254.2@-233.428,25.176 ; -272.954,37.105 ccw(c-275.59,39.406) -272.354,38.075 ; -272.529,37.712 ccw(c-275.59,39.406) -272.091,39.406 -272.091,42.809 cw(c-269.551,42.809) -271.347,44.605 D256.2@-271.272,44.68 ; D254.2@-232.88,25.592 cw(c-234.676,27.388) D254.2@-233.428,25.176 ; -121.69,16.364 ccw(c-122.673,15.365) -122.682,16.767 cw(c-122.682,17.993) -123.549,17.126 -124.523,18.1 -125.162,18.738 ccw(c-125.592,18.311) -125.163,18.739 -125.332,18.908 -125.501,19.077 -129.285,22.861 -130.527,24.104 ccw(c-132.324,22.308) -132.324,24.848 -155.011,24.848 cw(c-155.011,27.388) -156.259,25.176 cw(c-155.011,27.388) -156.807,25.592 D250.2@-156.845,25.63 -156.883,25.592 cw(c-158.679,27.388) -157.431,25.176 cw(c-158.679,27.388) -158.679,24.848 -193.111,24.848 cw(c-193.111,27.388) -194.907,25.592 D252.2@-194.945,25.63 -194.984,25.592 cw(c-196.78,27.388) -196.78,24.848 -231.084,24.848 cw(c-231.084,27.388) -232.332,25.176 D254.2@-233.428,25.176 ; -121.689,16.363 cw(c-122.673,15.365) -121.358,15.848 cw(c-122.673,15.365) -121.291,15.6 ccw(c-121.091,15.634) -121.291,15.598 ccw(c-121.091,15.634) -121.263,15.525 ccw(c-120.759,15.848) -120.759,15.25 U301.30@-120.25,15.25 ; v2(-113.284,24.384) -113.284,24.93 cw(c-113.081,24.93) -113.251,25.041 cw(c-111.46,23.876) -112.539,25.72 cw(c-111.46,23.876) -111.46,26.013 -104.521,26.013 ; -104.521,25.997 -101.981,25.997 cw(c-101.981,25.291) -101.775,25.966 ccw(c-101.715,26.16) -101.751,25.96 cw(c-102.165,23.632) -100.938,25.653 ccw(c-100.833,25.827) -100.882,25.63 D248.2@-99.822,25.63 -99.762,25.57 ccw(c-98.019,27.313) -98.019,24.848 -82.403,24.848 ccw(c-82.403,27.388) D246.2@-81.155,25.176 ; D246.2@-80.607,25.592 cw(c-82.403,27.388) D246.2@-81.155,25.176 ; D244.2@-41.275,25.63 cw(c-42.057,25.63) -42.057,24.848 -78.811,24.848 cw(c-78.811,27.388) -80.059,25.176 D246.2@-81.155,25.176
  Bottom Layer w0.203: v2(-136.652,24.765) -136.652,24.638 cw(c-135.119,23.105) -136.651,24.639 cw(c-135.119,23.105) -135.119,25.273 -114.336,25.273 cw(c-114.336,22.733) -113.94,25.242 -113.929,25.239 cw(c-114.173,24.384) v2(-113.284,24.384)
P1.09: D202.2 D204.2 D206.2 D208.2 D210.2 D212.2 D214.2 U301.16 | length 349.8
  Component Side w0.203: D214.2@-245.753,82.78 D214.2@-246.126,82.78 -246.088,82.742 ccw(c-244.292,84.538) -244.292,81.998 -228.91,81.998 ccw(c-228.91,84.538) -227.114,82.742 ccw(c-225.379,84.477) -225.379,82.023 -209.835,82.023 ccw(c-209.835,84.563) -209.826,82.023 ccw(c-209.835,84.563) -208.039,82.767 D210.2@-208.026,82.78 -207.988,82.742 ccw(c-206.192,84.538) -207.598,82.423 ccw(c-206.192,84.538) -206.192,81.998 -153.853,81.998 ccw(c-153.853,84.538) -152.605,82.326 ccw(c-153.853,84.538) -152.057,82.742 D208.2@-152.019,82.78 -151.981,82.742 ccw(c-150.185,84.538) -151.433,82.326 ccw(c-150.185,84.538) -150.185,81.998 -115.411,81.998 ccw(c-115.411,83.883) -114.079,82.55 -113.666,82.55 ccw(c-112.085,84.538) -112.085,81.998 -59.873,81.998 ccw(c-59.873,84.538) -58.625,82.326 ccw(c-59.873,84.538) -58.077,82.742 D204.2@-58.039,82.78 -58.001,82.742 ccw(c-56.205,84.538) -57.453,82.326 ccw(c-56.205,84.538) -56.253,81.998 ccw(c-56.205,84.538) -56.205,81.998 -37.358,81.998 ccw(c-37.358,82.78) D202.2@-36.576,82.78 -36.431,82.635 cw(c-38.227,80.839) -35.687,80.839 -35.687,73.852 cw(c-35.89,73.851) -35.767,73.689 ccw(c-34.575,72.115) -36.353,72.974 ccw(c-34.575,72.115) -36.55,72.089 cw(c-36.753,72.087) -36.55,72.087 -36.55,70.231 -36.55,59.182 cw(c-36.751,59.205) -36.671,59.019 ccw(c-36.195,57.912) -36.672,56.806 cw(c-36.753,56.619) -36.55,56.618 -36.55,52.094 cw(c-36.753,52.093) -36.672,51.906 ccw(c-36.195,50.8) -37.11,51.584 -38.843,49.85 ccw(c-37.047,48.054) -39.587,48.054 -39.587,43.937 ccw(c-37.978,43.937) v2(-39.116,42.799) ; U301.16@-110.2,22.25 cw(c-107.665,22.25) -107.665,24.785 -105.289,24.785 ; -105.289,24.787 -102.362,24.787 cw(c-102.362,23.158) -101.21,24.31 cw(c-101.322,24.141) -101.196,24.3 ccw(c-100.946,24.616) -101.159,24.274 ; -101.139,24.259 ccw(c-99.392,26.406) -99.392,23.638 -39.006,23.638 ccw(c-39.006,24.776) -38.635,23.7 ccw(c-39.006,24.776) -37.888,24.566 -37.888,24.807 ccw(c-38.1,24.807) v2(-38.1,25.019)
  Bottom Layer w0.203: v2(-39.116,42.799) cw(c-39.116,42.037) -39.076,42.798 cw(c-39.087,42.595) -38.884,42.594 -38.884,39.744 ccw(c-38.278,39.744) -38.784,39.41 ; -39.063,35.814 cw(c-41.212,37.79) -39.733,35.273 ccw(c-39.63,35.098) -39.834,35.098 -39.834,34.3 -39.834,28.184 ccw(c-37.294,28.184) -39.09,26.388 -38.444,25.742 -38.417,25.715 ; -39.062,35.815 ccw(c-41.212,37.79) -38.784,39.41 ; -38.52,38.919 ccw(c-41.212,37.79) -38.782,39.407 cw(c-38.278,39.744) -38.784,39.41 ; -38.416,25.714 cw(c-38.702,25.429) -38.368,25.656 cw(c-39.091,25.095) -38.176,25.095 v2(-38.1,25.019)